# Altium PCB RFautoMaTE_ASCII.PcbDoc (part 1 of 2)
Units mm, origin at the board's own origin, x right, y up, seen from the top; angles counter-clockwise.
Board outline 126.62 x 342.77 mm, 2 copper layers (Top Layer, Bottom Layer); 303 components, 21 nets, 745 pads, 8 vias.
Unrouted connection lines stored in the file: 16.
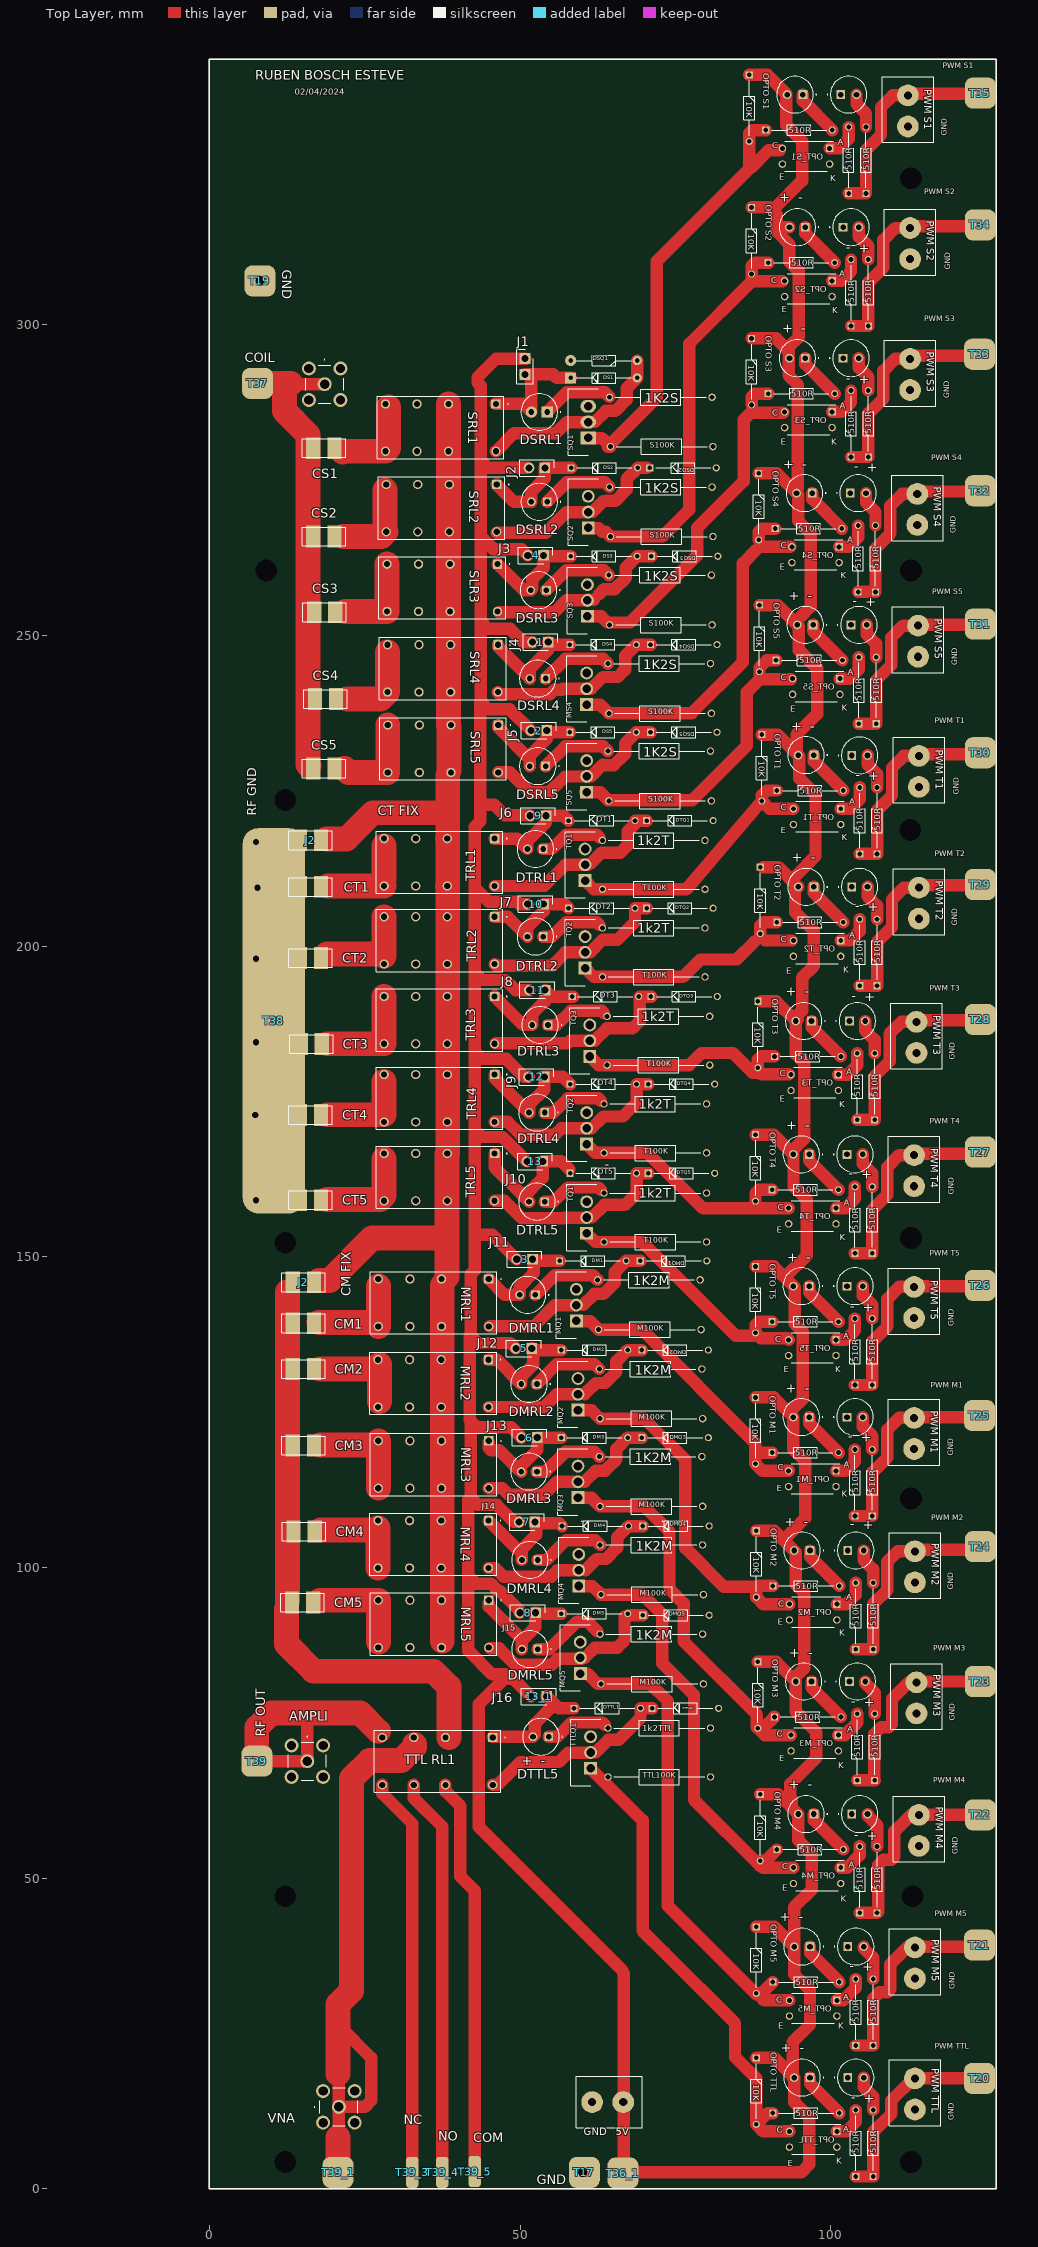
[diagram p0: Top Layer view]
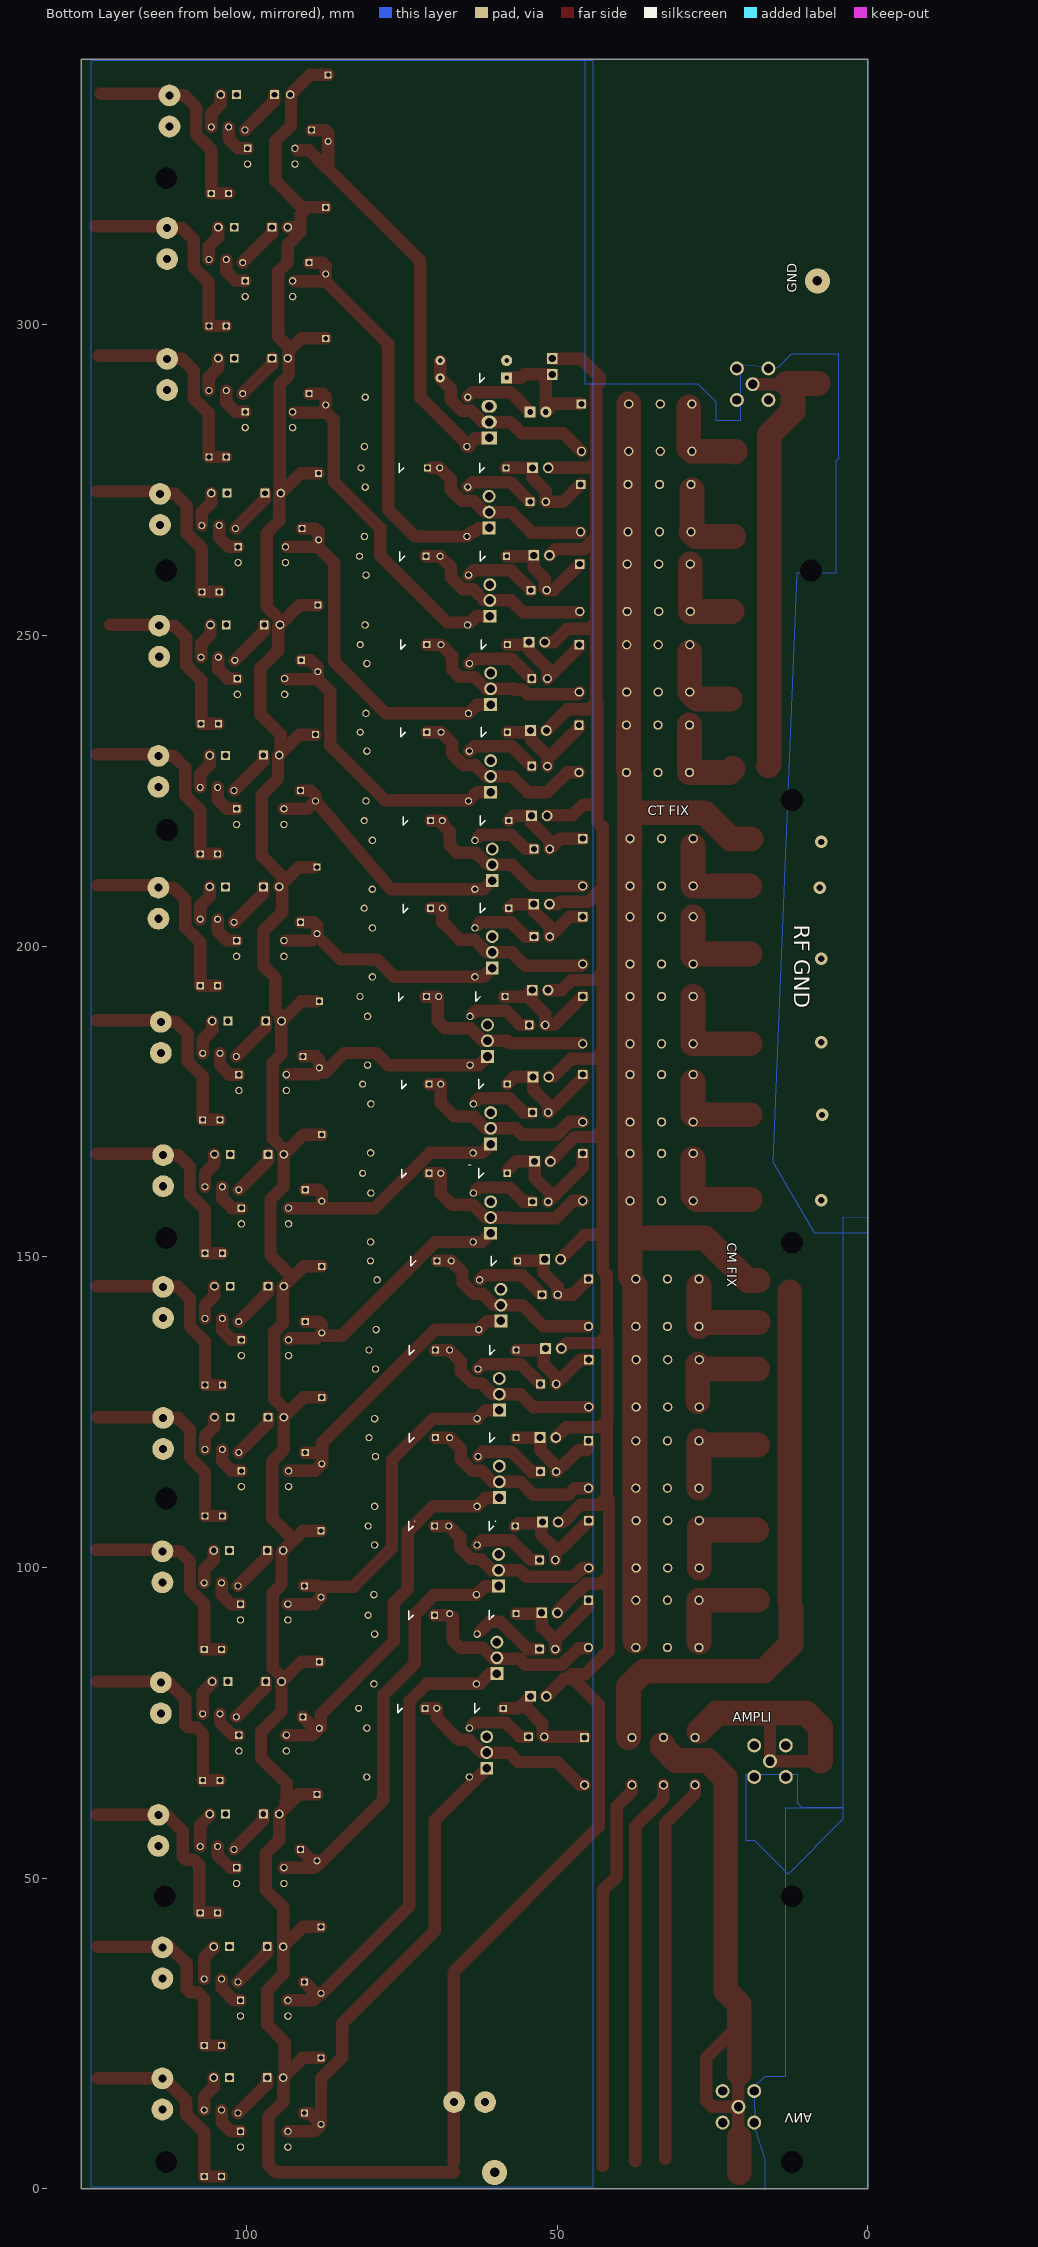
[diagram p1: Bottom Layer view, seen from below]

## Layer stack, top to bottom
Top Solder: solder mask 0.0102, Solder Resist, Dk 3.5
Top Layer: signal copper 0.0356
Dielectric 1: dielectric 0.32, FR-4, Dk 4.8
Bottom Layer: signal copper 0.0356
Bottom Solder: solder mask 0.0102, Solder Resist, Dk 3.5

## Board outline
0,0 126.619,0 126.619,342.773 0,342.773

## Design rules (kind name [scope] priority, off if disabled: settings)
AssemblyTestPointUsage [All] p0: scope1count=1 scope1_0_kind=Board scope1_0_value=Board scope2count=1 scope2_0_kind=Board scope2_0_value=Board commentlength=0
AssemblyTestpoint [All] p0: scope1count=1 scope1_0_kind=Board scope1_0_value=Board scope2count=1 scope2_0_kind=Board scope2_0_value=Board commentlength=0
Clearance [All] p0: scope1count=1 scope1_0_kind=Board scope1_0_value=Board scope2count=1 scope2_0_kind=Board scope2_0_value=Board commentlength=0 gap=0.254
Clearance [All] p1: gap=0.254 ignorepadtopadclearanceinfootprint=FALSE except(0: Arc-Hole Track-Hole SMDPad-Hole THPad-Hole Via-Hole Fill-Hole Poly-Hole Region-Hole Text-Hole)
ComponentClearance [All] p0: scope1count=1 scope1_0_kind=Board scope1_0_value=Board scope2count=1 scope2_0_kind=Board scope2_0_value=Board commentlength=0 gap=0.254 collisioncheckmode=3
DiffPairsRouting [All] p0: scope1count=1 scope1_0_kind=Board scope1_0_value=Board scope2count=1 scope2_0_kind=Board scope2_0_value=Board commentlength=0
FabricationTestPointUsage [All] p0: scope1count=1 scope1_0_kind=Board scope1_0_value=Board scope2count=1 scope2_0_kind=Board scope2_0_value=Board commentlength=0 valid=0 allowmultiple=FALSE
FabricationTestpoint [All] p0: scope1count=1 scope1_0_kind=Board scope1_0_value=Board scope2count=1 scope2_0_kind=Board scope2_0_value=Board commentlength=0 side=3 testpointundercomponent=TRUE minsize=1.016 maxsize=2.54 preferedsize=1.524 minholesize=0 maxholesize=1.016 preferedholesize=0.813 testpointgrid=0.025
FanoutControl Fanout_BGA [All] p0 off: scope1count=1 scope1_0_kind=Board scope1_0_value=Board scope2count=1 scope2_0_kind=Board scope2_0_value=Board commentlength=69 // Protel DXP Scope 1 Expression Was: IsBGA   Fanout_BGA (Default Rule)
FanoutControl Fanout_LCC [All] p0 off: scope1count=1 scope1_0_kind=Board scope1_0_value=Board scope2count=1 scope2_0_kind=Board scope2_0_value=Board commentlength=69 // Protel DXP Scope 1 Expression Was: IsLCC   Fanout_LCC (Default Rule)
FanoutControl Fanout_SOIC [All] p0 off: scope1count=1 scope1_0_kind=Board scope1_0_value=Board scope2count=1 scope2_0_kind=Board scope2_0_value=Board commentlength=71 // Protel DXP Scope 1 Expression Was: IsSOIC   Fanout_SOIC (Default Rule)
FanoutControl Fanout_Small [All] p0 off: scope1count=1 scope1_0_kind=Board scope1_0_value=Board scope2count=1 scope2_0_kind=Board scope2_0_value=Board commentlength=84 // Protel DXP Scope 1 Expression Was: (CompPinCount < 5)   Fanout_Small (Default Rule)
FanoutControl Fanout_Default [All] p0: scope1count=1 scope1_0_kind=Board scope1_0_value=Board scope2count=1 scope2_0_kind=Board scope2_0_value=Board commentlength=30 // Fanout_Default (Default Rule)
Height [All] p0: scope1count=1 scope1_0_kind=Board scope1_0_value=Board scope2count=1 scope2_0_kind=Board scope2_0_value=Board commentlength=0
HoleSize [All] p0: scope1count=1 scope1_0_kind=Board scope1_0_value=Board scope2count=1 scope2_0_kind=Board scope2_0_value=Board commentlength=0 absolutevalues=TRUE maxlimit=2.54 minlimit=0.025 maxpercent=80.000 minpercent=20.000
HoleToHoleClearance [All] p0: scope1count=1 scope1_0_kind=Board scope1_0_value=Board scope2count=1 scope2_0_kind=Board scope2_0_value=Board commentlength=0
LayerPairs [All] p0: scope1count=1 scope1_0_kind=Board scope1_0_value=Board scope2count=1 scope2_0_kind=Board scope2_0_value=Board commentlength=0 enforce=TRUE
MinimumSolderMaskSliver [All] p0: scope1count=1 scope1_0_kind=Board scope1_0_value=Board scope2count=1 scope2_0_kind=Board scope2_0_value=Board commentlength=0
NetAntennae [All] p0: scope1count=1 scope1_0_kind=Board scope1_0_value=Board scope2count=1 scope2_0_kind=Board scope2_0_value=Board commentlength=0
PasteMaskExpansion [All] p0: scope1count=1 scope1_0_kind=Board scope1_0_value=Board scope2count=1 scope2_0_kind=Board scope2_0_value=Board commentlength=0 expansion=0
PlaneClearance [All] p0: scope1count=1 scope1_0_kind=Board scope1_0_value=Board scope2count=1 scope2_0_kind=Board scope2_0_value=Board commentlength=0 clearance=0.508
PlaneConnect [All] p0: scope1count=1 scope1_0_kind=Board scope1_0_value=Board scope2count=1 scope2_0_kind=Board scope2_0_value=Board commentlength=0 planeconnectstyle=Relief reliefexpansion=0.508 reliefentries=4 reliefconductorwidth=0.254 reliefairgap=0.254
PolygonConnect [All] p0: scope1count=1 scope1_0_kind=Board scope1_0_value=Board scope2count=1 scope2_0_kind=Board scope2_0_value=Board commentlength=0 connectstyle=Direct reliefconductorwidth=0.254 reliefentries=4 polygonreliefangle="90 Angle"
PolygonConnect [All] p1: connectstyle=Direct reliefconductorwidth=0.254 reliefentries=4 polygonreliefangle="90 Angle" airgapwidth=0.254
RoutingCorners [All] p0: scope1count=1 scope1_0_kind=Board scope1_0_value=Board scope2count=1 scope2_0_kind=Board scope2_0_value=Board commentlength=0 cornerstyle=45-Degree minsetback=2.54 maxsetback=2.54
RoutingLayers [All] p0: scope1count=1 scope1_0_kind=Board scope1_0_value=Board scope2count=1 scope2_0_kind=Board scope2_0_value=Board commentlength=0 top layer=Automatic bottom layer=Automatic
RoutingPriority [All] p0: scope1count=1 scope1_0_kind=Board scope1_0_value=Board scope2count=1 scope2_0_kind=Board scope2_0_value=Board commentlength=0
RoutingTopology [All] p0: scope1count=1 scope1_0_kind=Board scope1_0_value=Board scope2count=1 scope2_0_kind=Board scope2_0_value=Board commentlength=0 topology=Shortest
RoutingVias [All] p0: scope1count=1 scope1_0_kind=Board scope1_0_value=Board scope2count=1 scope2_0_kind=Board scope2_0_value=Board commentlength=0 holewidth=0.711 width=2 viastyle="Through Hole" minholewidth=0 minwidth=1.27 maxholewidth=1 maxwidth=3
RoutingVias [All] p1: holewidth=0.711 width=2 viastyle="Through Hole" minholewidth=0 minwidth=1.27 maxholewidth=1 maxwidth=3
ShortCircuit [All] p0: scope1count=1 scope1_0_kind=Board scope1_0_value=Board scope2count=1 scope2_0_kind=Board scope2_0_value=Board commentlength=0 allowed=FALSE
SilkToBoardRegionClearance [All] p0: scope1count=1 scope1_0_kind=Board scope1_0_value=Board scope2count=1 scope2_0_kind=Board scope2_0_value=Board commentlength=0
SilkToSilkClearance [All] p0: scope1count=1 scope1_0_kind=Board scope1_0_value=Board scope2count=1 scope2_0_kind=Board scope2_0_value=Board commentlength=0
SilkToSolderMaskClearance [All] p0 off: scope1count=1 scope1_0_kind=Board scope1_0_value=Board scope2count=1 scope2_0_kind=Board scope2_0_value=Board commentlength=44 // Protel DXP Scope 1 Expression Was: IsPad
SolderMaskExpansion [All] p0: scope1count=1 scope1_0_kind=Board scope1_0_value=Board scope2count=1 scope2_0_kind=Board scope2_0_value=Board commentlength=0 expansion=0.102
SolderMaskExpansion [All] p1: expansion=0.102 istentingtop=FALSE
UnRoutedNet [All] p0: scope1count=1 scope1_0_kind=Board scope1_0_value=Board scope2count=1 scope2_0_kind=Board scope2_0_value=Board commentlength=0
UnpouredPolygon [All] p0: scope1count=1 scope1_0_kind=Board scope1_0_value=Board scope2count=1 scope2_0_kind=Board scope2_0_value=Board commentlength=0
Width [All] p0: scope1count=1 scope1_0_kind=Board scope1_0_value=Board scope2count=1 scope2_0_kind=Board scope2_0_value=Board commentlength=0 maxlimit=6 minlimit=0.254 preferedwidth=3
Width [All] p1: maxlimit=6 minlimit=0.254 preferedwidth=3 toplayer_maxwidth=4.5 toplayer_prefwidth=2 minimp=50.000000 maximp=50.000000 favimp=50.000000
30 further rules are at their usual default settings.

## Classes and differential pairs
component class AUTOTUNE: ac/dc1 Ampli1 coil PMW
component class AUTOTUNE_5S5M5T: 1k2T DTRL1 M100K T100K

## Components (designator, comment, footprint, x,y, rotation, side; value= is the part's Value field where it differs from the comment)
1 "251-8086" HDRV2W66P0X254_1X2_508X254X874P#1 54.529,248.937 r180 top (schematic designator J2)
1K2M "" RESAD1650W60L650D250 62.865,89.281 r0 top
1K2M "" RESAD1650W60L650D250 62.865,103.632 r0 top
1K2M "" RESAD1650W60L650D250 62.738,117.856 r0 top
1K2M "" RESAD1650W60L650D250 62.738,131.953 r0 top
1K2M "" RESAD1650W60L650D250 62.484,146.304 r0 top
1K2S "" RESAD1650W60L650D250 64.389,288.351 r0 top (schematic designator 1K2M)
1K2S "" RESAD1650W60L650D250 64.135,231.394 r0 top (schematic designator 1K2M)
1K2S "" RESAD1650W60L650D250 64.135,245.491 r0 top (schematic designator 1K2M)
1K2S "" RESAD1650W60L650D250 64.262,259.715 r0 top (schematic designator 1K2M)
1K2S "" RESAD1650W60L650D250 64.389,273.873 r0 top (schematic designator 1K2M)
1k2T "" RESAD1650W60L650D250 63.5,160.274 r0 top
1k2T "" RESAD1650W60L650D250 63.5,174.625 r0 top
1k2T "" RESAD1650W60L650D250 64.008,188.722 r0 top
1k2T "" RESAD1650W60L650D250 63.246,202.946 r0 top
1k2T "" RESAD1650W60L650D250 63.246,217.043 r0 top
1k2TTL "" RESAD1650W60L650D250 64.135,74.168 r0 top (schematic designator 1k2T)
2 "251-8086" HDRV2W66P0X254_1X2_508X254X874P#1 54.275,234.713 r180 top (schematic designator J2)
3 "251-8086" HDRV2W66P0X254_1X2_508X254X874P#1 51.989,149.623 r180 top (schematic designator J2)
4 "251-8086" HDRV2W66P0X254_1X2_508X254X874P#1 53.767,262.907 r180 top (schematic designator J2)
5 "251-8086" HDRV2W66P0X254_1X2_508X254X874P#1 51.862,135.272 r180 top (schematic designator J2)
6 "251-8086" HDRV2W66P0X254_1X2_508X254X874P#1 52.751,120.921 r180 top (schematic designator J2)
7 "251-8086" HDRV2W66P0X254_1X2_508X254X874P#1 52.37,107.332 r180 top (schematic designator J2)
8 "251-8086" HDRV2W66P0X254_1X2_508X254X874P#1 52.497,92.727 r180 top (schematic designator J2)
9 "251-8086" HDRV2W66P0X254_1X2_508X254X874P#1 54.148,220.997 r180 top (schematic designator J2)
10 "251-8086" HDRV2W66P0X254_1X2_508X254X874P#1 53.767,206.773 r180 top (schematic designator J2)
10K "" DIOAD1068W53L380D172#1 86.868,340.233 r270 top (schematic designator DM?)
10K "" DIOAD1068W53L380D172#1 87.249,318.897 r270 top (schematic designator DM?)
10K "" DIOAD1068W53L380D172#1 87.249,297.815 r270 top (schematic designator DM?)
10K "" DIOAD1068W53L380D172#1 88.392,276.098 r270 top (schematic designator DM?)
10K "" DIOAD1068W53L380D172#1 88.519,254.889 r270 top (schematic designator DM?)
10K "" DIOAD1068W53L380D172#1 88.9,234.061 r270 top (schematic designator DM?)
10K "" DIOAD1068W53L380D172#1 88.646,212.725 r270 top (schematic designator DM?)
10K "" DIOAD1068W53L380D172#1 88.265,191.135 r270 top (schematic designator DM?)
10K "" DIOAD1068W53L380D172#1 87.884,169.672 r270 top (schematic designator DM?)
10K "" DIOAD1068W53L380D172#1 87.884,148.463 r270 top (schematic designator DM?)
10K "" DIOAD1068W53L380D172#1 87.884,127.381 r270 top (schematic designator DM?)
10K "" DIOAD1068W53L380D172#1 88.011,105.918 r270 top (schematic designator DM?)
10K "" DIOAD1068W53L380D172#1 88.265,84.836 r270 top (schematic designator DM?)
10K "" DIOAD1068W53L380D172#1 88.646,63.5 r270 top (schematic designator DM?)
10K "" DIOAD1068W53L380D172#1 88.011,42.164 r270 top (schematic designator DM?)
10K "" DIOAD1068W53L380D172#1 88.011,21.082 r270 top (schematic designator DM?)
11 "251-8086" HDRV2W66P0X254_1X2_508X254X874P#1 54.021,192.93 r180 top (schematic designator J2)
12 "251-8086" HDRV2W66P0X254_1X2_508X254X874P#1 53.894,178.96 r180 top (schematic designator J2)
13 "251-8086" HDRV2W66P0X254_1X2_508X254X874P#1 53.64,165.371 r180 top (schematic designator J2)
13_1 "251-8086" HDRV2W66P0X254_1X2_508X254X874P#1 54.275,79.265 r180 top (schematic designator J2)
510R "" DIOAD1068W53L380D172#1 105.664,321.151 r90 top (schematic designator DM?)
510R "" DIOAD1068W53L380D172#1 102.87,321.151 r90 top (schematic designator DM?)
510R "" DIOAD1068W53L380D172#1 89.535,331.356 r0 top (schematic designator DM?)
510R "" DIOAD1068W53L380D172#1 106.045,299.815 r90 top (schematic designator DM?)
510R "" DIOAD1068W53L380D172#1 103.251,299.815 r90 top (schematic designator DM?)
510R "" DIOAD1068W53L380D172#1 89.916,310.02 r0 top (schematic designator DM?)
510R "" DIOAD1068W53L380D172#1 89.916,288.938 r0 top (schematic designator DM?)
510R "" DIOAD1068W53L380D172#1 103.251,278.733 r90 top (schematic designator DM?)
510R "" DIOAD1068W53L380D172#1 106.045,278.733 r90 top (schematic designator DM?)
510R "" DIOAD1068W53L380D172#1 91.059,267.221 r0 top (schematic designator DM?)
510R "" DIOAD1068W53L380D172#1 104.394,257.016 r90 top (schematic designator DM?)
510R "" DIOAD1068W53L380D172#1 107.188,257.016 r90 top (schematic designator DM?)
510R "" DIOAD1068W53L380D172#1 91.186,246.012 r0 top (schematic designator DM?)
510R "" DIOAD1068W53L380D172#1 104.521,235.807 r90 top (schematic designator DM?)
510R "" DIOAD1068W53L380D172#1 107.315,235.807 r90 top (schematic designator DM?)
510R "" DIOAD1068W53L380D172#1 91.313,225.057 r0 top (schematic designator DM?)
510R "" DIOAD1068W53L380D172#1 104.648,214.852 r90 top (schematic designator DM?)
510R "" DIOAD1068W53L380D172#1 107.442,214.852 r90 top (schematic designator DM?)
510R "" DIOAD1068W53L380D172#1 91.313,203.848 r0 top (schematic designator DM?)
510R "" DIOAD1068W53L380D172#1 104.648,193.643 r90 top (schematic designator DM?)
510R "" DIOAD1068W53L380D172#1 107.442,193.643 r90 top (schematic designator DM?)
510R "" DIOAD1068W53L380D172#1 90.932,182.258 r0 top (schematic designator DM?)
510R "" DIOAD1068W53L380D172#1 104.267,172.053 r90 top (schematic designator DM?)
510R "" DIOAD1068W53L380D172#1 107.061,172.053 r90 top (schematic designator DM?)
510R "" DIOAD1068W53L380D172#1 90.551,160.795 r0 top (schematic designator DM?)
510R "" DIOAD1068W53L380D172#1 103.886,150.59 r90 top (schematic designator DM?)
510R "" DIOAD1068W53L380D172#1 106.68,150.59 r90 top (schematic designator DM?)
510R "" DIOAD1068W53L380D172#1 106.68,129.381 r90 top (schematic designator DM?)
510R "" DIOAD1068W53L380D172#1 103.886,129.381 r90 top (schematic designator DM?)
510R "" DIOAD1068W53L380D172#1 90.551,139.586 r0 top (schematic designator DM?)
510R "" DIOAD1068W53L380D172#1 90.551,118.504 r0 top (schematic designator DM?)
510R "" DIOAD1068W53L380D172#1 103.886,108.299 r90 top (schematic designator DM?)
510R "" DIOAD1068W53L380D172#1 106.68,108.299 r90 top (schematic designator DM?)
510R "" DIOAD1068W53L380D172#1 90.678,97.041 r0 top (schematic designator DM?)
510R "" DIOAD1068W53L380D172#1 104.013,86.836 r90 top (schematic designator DM?)
510R "" DIOAD1068W53L380D172#1 106.807,86.836 r90 top (schematic designator DM?)
510R "" DIOAD1068W53L380D172#1 107.061,65.754 r90 top (schematic designator DM?)
510R "" DIOAD1068W53L380D172#1 104.267,65.754 r90 top (schematic designator DM?)
510R "" DIOAD1068W53L380D172#1 90.932,75.959 r0 top (schematic designator DM?)
510R "" DIOAD1068W53L380D172#1 107.442,44.418 r90 top (schematic designator DM?)
510R "" DIOAD1068W53L380D172#1 104.648,44.418 r90 top (schematic designator DM?)
510R "" DIOAD1068W53L380D172#1 91.313,54.623 r0 top (schematic designator DM?)
510R "" DIOAD1068W53L380D172#1 90.678,33.287 r0 top (schematic designator DM?)
510R "" DIOAD1068W53L380D172#1 104.013,23.082 r90 top (schematic designator DM?)
510R "" DIOAD1068W53L380D172#1 106.807,23.082 r90 top (schematic designator DM?)
510R "" DIOAD1068W53L380D172#1 106.807,2 r90 top (schematic designator DM?)
510R "" DIOAD1068W53L380D172#1 104.013,2 r90 top (schematic designator DM?)
510R "" DIOAD1068W53L380D172#1 90.678,12.205 r0 top (schematic designator DM?)
AMPLI "73251-3140" 732513140 15.748,68.834 r270 top (schematic designator J?)
CM1 "009296001202806" 009296001202806 15.113,139.319 r270 top (schematic designator J2)
CM2 "009296001202806" 009296001202806 15.113,131.953 r270 top (schematic designator J2)
CM3 "009296001202806" 009296001202806 15.113,119.634 r270 top (schematic designator J2)
CM4 "009296001202806" 009296001202806 15.24,105.791 r270 top (schematic designator J2)
CM5 "009296001202806" 009296001202806 14.986,94.361 r270 top (schematic designator J2)
CS1 "009296001202806" 009296001202806 18.415,280.162 r270 top (schematic designator J2)
CS2 "009296001202806" 009296001202806 18.415,265.938 r270 top (schematic designator J2)
CS3 "009296001202806" 009296001202806 18.542,253.746 r270 top (schematic designator J2)
CS4 "009296001202806" 009296001202806 18.669,239.776 r270 top (schematic designator J2)
CS5 "009296001202806" 009296001202806 18.415,228.6 r270 top (schematic designator J2)
CT1 "009296001202806" 009296001202806 16.256,209.55 r270 top (schematic designator J2)
CT2 "009296001202806" 009296001202806 16.256,198.12 r270 top (schematic designator J2)
CT3 "009296001202806" 009296001202806 16.383,184.277 r270 top (schematic designator J2)
CT4 "009296001202806" 009296001202806 16.256,172.847 r270 top (schematic designator J2)
CT5 "009296001202806" 009296001202806 16.256,159.131 r270 top (schematic designator J2)
DM1 "" DIOAD1068W53L380D172#1 56.356,149.352 r0 top
DM2 "" DIOAD1068W53L380D172#1 56.61,135.001 r0 top (schematic designator DM1)
DM3 "" DIOAD1068W53L380D172#1 56.61,120.904 r0 top (schematic designator DM1)
DM4 "" DIOAD1068W53L380D172#1 56.737,106.68 r0 top (schematic designator DM1)
DM5 "" DIOAD1068W53L380D172#1 56.61,92.583 r0 top (schematic designator DM1)
DMQ1 "" DIOAD1068W53L380D172#1 69.342,149.352 r0 top
DMQ2 "" DIOAD1068W53L380D172#1 69.596,135.001 r0 top (schematic designator DMQ1)
DMQ3 "" DIOAD1068W53L380D172#1 69.596,120.904 r0 top (schematic designator DMQ1)
DMQ4 "" DIOAD1068W53L380D172#1 69.723,106.68 r0 top (schematic designator DMQ1)
DMQ5 "" DIOAD1068W53L380D172#1 69.723,92.329 r0 top (schematic designator DMQ1)
DMRL1 "L53GD" L53GD#1 52.451,143.891 r270 top (schematic designator LEDmatching)
DMRL2 "L53GD" L53GD#1 52.705,129.54 r270 top (schematic designator LEDmatching)
DMRL3 "L53GD" L53GD#1 52.705,115.443 r270 top (schematic designator LEDmatching)
DMRL4 "L53GD" L53GD#1 52.832,101.219 r270 top (schematic designator LEDmatching)
DS1 "" DIOAD1068W53L380D172#2 58.134,291.465 r0 top (schematic designator DM1)
DS2 "" DIOAD1068W53L380D172#1 58.212,276.987 r0 top (schematic designator DM1)
DS3 "" DIOAD1068W53L380D172#1 58.134,262.763 r0 top (schematic designator DM1)
DS4 "" DIOAD1068W53L380D172#1 58.007,248.539 r0 top (schematic designator DM1)
DS5 "" DIOAD1068W53L380D172#1 58.007,234.442 r0 top (schematic designator DM1)
DSQ1 "" DIOAD1068W53L380D172#3 68.834,294.259 r180 top (schematic designator DMQ1)
DSQ2 "" DIOAD1068W53L380D172#1 70.866,276.987 r0 top (schematic designator DMQ1)
DSQ3 "" DIOAD1068W53L380D172#1 71.12,262.763 r0 top (schematic designator DMQ1)
DSQ4 "" DIOAD1068W53L380D172#1 70.993,248.539 r0 top (schematic designator DMQ1)
DSQ5 "" DIOAD1068W53L380D172#1 70.993,234.442 r0 top (schematic designator DMQ1)
DSRL1 "L53GD" L53GD#2 54.356,285.976 r270 top (schematic designator LEDmatching)
DSRL2 "L53GD" L53GD#1 54.356,271.526 r270 top (schematic designator LEDmatching)
DSRL3 "L53GD" L53GD#1 54.229,257.302 r270 top (schematic designator LEDmatching)
DSRL4 "L53GD" L53GD#1 54.102,243.078 r270 top (schematic designator LEDmatching)
DSRL5 "L53GD" L53GD#1 54.102,228.981 r270 top (schematic designator LEDmatching)
DT1 "" DIOAD1068W53L380D172#1 57.785,220.218 r0 top
DT2 "" DIOAD1068W53L380D172#1 57.785,206.121 r0 top (schematic designator DT1)
DT3 "" DIOAD1068W53L380D172#1 58.38,191.897 r0 top (schematic designator DT1)
DT4 "" DIOAD1068W53L380D172#1 58.039,177.8 r0 top (schematic designator DT1)
DT5 "" DIOAD1068W53L380D172#1 58.039,163.449 r0 top (schematic designator DT1)
DTQ1 "" DIOAD1068W53L380D172#1 70.358,220.218 r0 top
DTQ2 "" DIOAD1068W53L380D172#1 70.358,206.121 r0 top (schematic designator DTQ1)
DTQ3 "" DIOAD1068W53L380D172#1 71.035,191.897 r0 top (schematic designator DTQ1)
DTQ4 "" DIOAD1068W53L380D172#1 70.612,177.8 r0 top (schematic designator DTQ1)
DTQ5 "" DIOAD1068W53L380D172#1 70.612,163.449 r0 top (schematic designator DTQ1)
DTRL1 "L53GD" L53GD#1 53.721,215.646 r270 top (schematic designator "LED tuning")
DTRL2 "L53GD" L53GD#1 53.721,201.549 r270 top (schematic designator "LED tuning")
DTRL3 "L53GD" L53GD#1 54.483,187.325 r270 top (schematic designator "LED tuning")
DTRL4 "L53GD" L53GD#1 53.975,173.228 r270 top (schematic designator "LED tuning")
DTRL5 "L53GD" L53GD#1 53.975,158.877 r270 top (schematic designator "LED tuning")
DTTL1 "" DIOAD1068W53L380D172#1 58.674,77.343 r0 top (schematic designator DT1)
DTTLQ1 "" DIOAD1068W53L380D172#1 71.247,77.343 r0 top (schematic designator DTQ1)
"GND   5V" "691213710002" 691213710002#1 66.595,13.97 r180 top (schematic designator pwm)
J2 "009296001202806" 009296001202806 16.256,217.043 r270 top
J2 "009296001202806" 009296001202806 15.113,145.923 r270 top
J2 "251-8086" HDRV2W66P0X254_1X2_508X254X874P#1 53.975,276.987 r180 top
J2 "251-8086" HDRV2W66P0X254_1X2_508X254X874P#2 50.8,294.565 r270 top
J? "73251-3140" 732513140 18.542,290.449 r270 top
J? "73251-3140" 732513140 20.828,13.208 r0 top
"LED tuning" "L53GD" L53GD#1 54.61,72.771 r270 top
"LED tuning?" "L53GD" L53GD#1 101.6,337.058 r90 top
"LED tuning?" "L53GD" L53GD#1 101.981,315.722 r90 top
"LED tuning?" "L53GD" L53GD#1 101.981,294.64 r90 top
"LED tuning?" "L53GD" L53GD#1 103.124,272.923 r90 top
"LED tuning?" "L53GD" L53GD#1 103.251,251.714 r90 top
"LED tuning?" "L53GD" L53GD#1 103.378,230.703 r90 top
"LED tuning?" "L53GD" L53GD#1 103.378,209.55 r90 top
"LED tuning?" "L53GD" L53GD#1 102.997,187.96 r90 top
"LED tuning?" "L53GD" L53GD#1 102.616,166.497 r90 top
"LED tuning?" "L53GD" L53GD#1 102.616,145.288 r90 top
"LED tuning?" "L53GD" L53GD#1 102.616,124.206 r90 top
"LED tuning?" "L53GD" L53GD#1 102.743,102.743 r90 top
"LED tuning?" "L53GD" L53GD#1 102.997,81.661 r90 top
"LED tuning?" "L53GD" L53GD#1 103.378,60.325 r90 top
"LED tuning?" "L53GD" L53GD#1 102.743,38.989 r90 top
"LED tuning?" "L53GD" L53GD#1 102.743,17.907 r90 top
LEDmatching "L53GD" L53GD#1 52.832,86.868 r270 top
M100K "" RESAD1650W60L650D250 79.502,81.28 r180 top
M100K "" RESAD1650W60L650D250 79.502,95.631 r180 top
M100K "" RESAD1650W60L650D250 79.375,109.855 r180 top
M100K "" RESAD1650W60L650D250 79.375,123.952 r180 top
M100K "" RESAD1650W60L650D250 79.121,138.303 r180 top
MQ1 "" TO254P483X1016X2223-3P#1 59.055,139.7 r90 top
MQ2 "" TO254P483X1016X2223-3P#1 59.309,125.349 r90 top (schematic designator MQ1)
MQ3 "" TO254P483X1016X2223-3P#1 59.309,111.252 r90 top (schematic designator MQ1)
MQ4 "" TO254P483X1016X2223-3P#1 59.436,97.028 r90 top (schematic designator MQ1)
MQ5 "" TO254P483X1016X2223-3P#1 59.69,82.931 r90 top (schematic designator MQ1)
MRL1 "" G5V2DC3 44.958,146.431 r180 top
MRL2 "" G5V2DC3 44.912,133.46 r180 top (schematic designator MRL1)
MRL3 "" G5V2DC3 44.958,120.396 r180 top (schematic designator MRL1)
MRL4 "" G5V2DC3 44.912,107.552 r180 top (schematic designator MRL1)
MRL5 "" G5V2DC3 44.958,94.742 r180 top (schematic designator MRL1)
MS4 "" TO254P483X1016X2223-3P#1 60.706,238.887 r90 top (schematic designator MQ1)
OPT_M1 "EL817" DIP762W60P254L458H480Q4N 97.028,114.3 r180 top (schematic designator IC?)
OPT_M2 "EL817" DIP762W60P254L458H480Q4N 97.155,92.837 r180 top (schematic designator IC?)
OPT_M3 "EL817" DIP762W60P254L458H480Q4N 97.409,71.755 r180 top (schematic designator IC?)
OPT_M4 "EL817" DIP762W60P254L458H480Q4N 97.79,50.419 r180 top (schematic designator IC?)
OPT_M5 "EL817" DIP762W60P254L458H480Q4N 97.155,29.083 r180 top (schematic designator IC?)
OPT_S1 "EL817" DIP762W60P254L458H480Q4N 96.012,327.152 r180 top (schematic designator IC?)
OPT_S2 "EL817" DIP762W60P254L458H480Q4N 96.393,305.816 r180 top (schematic designator IC?)
OPT_S3 "EL817" DIP762W60P254L458H480Q4N 96.393,284.734 r180 top (schematic designator IC?)
OPT_S4 "EL817" DIP762W60P254L458H480Q4N 97.536,263.017 r180 top (schematic designator IC?)
OPT_S5 "EL817" DIP762W60P254L458H480Q4N 97.663,241.808 r180 top (schematic designator IC?)
OPT_T1 "EL817" DIP762W60P254L458H480Q4N 97.79,220.853 r180 top (schematic designator IC?)
OPT_T2 "EL817" DIP762W60P254L458H480Q4N 97.79,199.644 r180 top (schematic designator IC?)
OPT_T3 "EL817" DIP762W60P254L458H480Q4N 97.409,178.054 r180 top (schematic designator IC?)
OPT_T4 "EL817" DIP762W60P254L458H480Q4N 97.028,156.591 r180 top (schematic designator IC?)
OPT_T5 "EL817" DIP762W60P254L458H480Q4N 97.028,135.382 r180 top (schematic designator IC?)
OPT_TTL "EL817" DIP762W60P254L458H480Q4N 97.155,8.001 r180 top (schematic designator IC?)
"OPTO M1" "L53GD" L53GD#1 96.52,124.206 r270 top (schematic designator "LED tuning?")
"OPTO M2" "L53GD" L53GD#1 96.647,102.743 r270 top (schematic designator "LED tuning?")
"OPTO M3" "L53GD" L53GD#1 96.901,81.661 r270 top (schematic designator "LED tuning?")
"OPTO M4" "L53GD" L53GD#1 97.282,60.325 r270 top (schematic designator "LED tuning?")
"OPTO M5" "L53GD" L53GD#1 96.647,38.989 r270 top (schematic designator "LED tuning?")
"OPTO S1" "L53GD" L53GD#1 95.504,337.058 r270 top (schematic designator "LED tuning?")
"OPTO S2" "L53GD" L53GD#1 95.885,315.722 r270 top (schematic designator "LED tuning?")
"OPTO S3" "L53GD" L53GD#1 95.885,294.64 r270 top (schematic designator "LED tuning?")
"OPTO S4" "L53GD" L53GD#1 97.028,272.923 r270 top (schematic designator "LED tuning?")
"OPTO S5" "L53GD" L53GD#1 97.155,251.714 r270 top (schematic designator "LED tuning?")
"OPTO T1" "L53GD" L53GD#1 97.282,230.759 r270 top (schematic designator "LED tuning?")
"OPTO T2" "L53GD" L53GD#1 97.282,209.55 r270 top (schematic designator "LED tuning?")
"OPTO T3" "L53GD" L53GD#1 96.901,187.96 r270 top (schematic designator "LED tuning?")
"OPTO T4" "L53GD" L53GD#1 96.52,166.497 r270 top (schematic designator "LED tuning?")
"OPTO T5" "L53GD" L53GD#1 96.52,145.288 r270 top (schematic designator "LED tuning?")
"OPTO TTL" "L53GD" L53GD#1 96.647,17.907 r270 top (schematic designator "LED tuning?")
"PWM M1" "691213710002" 691213710002#2 113.411,124.079 r270 top (schematic designator pwm)
"PWM M2" "691213710002" 691213710002#2 113.538,102.616 r270 top (schematic designator pwm)
"PWM M3" "691213710002" 691213710002#2 113.792,81.534 r270 top (schematic designator pwm)
"PWM M4" "691213710002" 691213710002#2 114.173,60.198 r270 top (schematic designator pwm)
"PWM M5" "691213710002" 691213710002#2 113.538,38.862 r270 top (schematic designator pwm)
"PWM S1" "691213710002" 691213710002#2 112.395,336.931 r270 top (schematic designator pwm)
"PWM S2" "691213710002" 691213710002#2 112.776,315.595 r270 top (schematic designator pwm)
"PWM S3" "691213710002" 691213710002#2 112.776,294.513 r270 top (schematic designator pwm)
"PWM S4" "691213710002" 691213710002#2 113.919,272.796 r270 top (schematic designator pwm)
"PWM S5" "691213710002" 691213710002#2 114.046,251.587 r270 top (schematic designator pwm)
"PWM T1" "691213710002" 691213710002#2 114.173,230.632 r270 top (schematic designator pwm)
"PWM T2" "691213710002" 691213710002#2 114.173,209.423 r270 top (schematic designator pwm)
"PWM T3" "691213710002" 691213710002#2 113.792,187.833 r270 top (schematic designator pwm)
"PWM T4" "691213710002" 691213710002#2 113.411,166.37 r270 top (schematic designator pwm)
"PWM T5" "691213710002" 691213710002#2 113.411,145.161 r270 top (schematic designator pwm)
"PWM TTL" "691213710002" 691213710002#2 113.538,17.78 r270 top (schematic designator pwm)
S100K "" RESAD1650W60L650D250 80.772,223.393 r180 top (schematic designator M100K)
S100K "" RESAD1650W60L650D250 80.772,237.49 r180 top (schematic designator M100K)
S100K "" RESAD1650W60L650D250 80.899,251.714 r180 top (schematic designator M100K)
S100K "" RESAD1650W60L650D250 81.026,265.938 r180 top (schematic designator M100K)
S100K "" RESAD1650W60L650D250 81.026,280.416 r180 top (schematic designator M100K)
SLR3 "" G5V2DC3 46.355,261.493 r180 top (schematic designator MRL1)
SQ1 "" TO254P483X1016X2223-3P#2 60.96,281.813 r90 top (schematic designator MQ1)
SQ2 "" TO254P483X1016X2223-3P#1 60.96,267.335 r90 top (schematic designator MQ1)
SQ3 "" TO254P483X1016X2223-3P#1 60.833,253.111 r90 top (schematic designator MQ1)
SQ5 "" TO254P483X1016X2223-3P#1 60.706,224.79 r90 top (schematic designator MQ1)
SRL1 "" G5V2DC3 46.101,287.274 r180 top (schematic designator MRL1)
SRL2 "" G5V2DC3 46.228,274.32 r180 top (schematic designator MRL1)
SRL4 "" G5V2DC3 46.436,248.522 r180 top (schematic designator MRL1)
SRL5 "" G5V2DC3 46.482,235.585 r180 top (schematic designator MRL1)
T17 "L1" "Terminal banana"#1 60.325,2.667 r180 top (schematic designator T14)
T19 "L1" "Terminal banana"#1 8.128,307.086 r270 top (schematic designator T14)
T20 "L1" "Terminal banana"#1 123.952,17.78 r180 top (schematic designator T14)
T21 "L1" "Terminal banana"#1 123.952,39.243 r180 top (schematic designator T14)
T22 "L1" "Terminal banana"#1 124.079,60.198 r180 top (schematic designator T14)
T23 "L1" "Terminal banana"#1 124.079,81.661 r180 top (schematic designator T14)
T24 "L1" "Terminal banana"#1 124.079,103.378 r180 top (schematic designator T14)
T25 "L1" "Terminal banana"#1 123.952,124.46 r180 top (schematic designator T14)
T26 "L1" "Terminal banana"#1 124.079,145.415 r180 top (schematic designator T14)
T27 "L1" "Terminal banana"#1 124.079,166.878 r180 top (schematic designator T14)
T28 "L1" "Terminal banana"#1 124.079,188.214 r180 top (schematic designator T14)
T29 "L1" "Terminal banana"#1 124.079,209.931 r180 top (schematic designator T14)
T30 "L1" "Terminal banana"#1 124.079,231.14 r180 top (schematic designator T14)
T31 "L1" "Terminal banana"#1 124.079,251.841 r180 top (schematic designator T14)
T32 "L1" "Terminal banana"#1 124.079,273.304 r180 top (schematic designator T14)
T33 "L1" "Terminal banana"#1 123.952,295.275 r180 top (schematic designator T14)
T34 "L1" "Terminal banana"#1 124.079,316.103 r180 top (schematic designator T14)
T35 "L1" "Terminal banana"#1 124.079,337.312 r180 top (schematic designator T14)
T36_1 "L1" "Terminal banana"#1 66.548,2.54 r90 top (schematic designator T14)
T37 "L1" "Terminal banana"#1 7.747,290.576 r270 top (schematic designator T14)
T38 "L1" "Terminal banana"#2 10.342,188 r180 top (schematic designator T14)
T39 "L1" "Terminal banana"#1 7.62,68.834 r270 top (schematic designator T14)
T39_1 "L1" "Terminal banana"#1 20.701,2.667 r0 top (schematic designator T14)
T39_3 "L1" "Terminal banana"#3 32.639,2.667 r0 top (schematic designator T14)
T39_4 "L1" "Terminal banana"#3 37.465,2.667 r0 top (schematic designator T14)
T39_5 "L1" "Terminal banana"#3 42.672,2.794 r0 top (schematic designator T14)
T100K "" RESAD1650W60L650D250 80.01,152.4 r180 top
T100K "" RESAD1650W60L650D250 80.01,166.751 r180 top
T100K "" RESAD1650W60L650D250 80.518,180.848 r180 top
T100K "" RESAD1650W60L650D250 79.756,195.072 r180 top
T100K "" RESAD1650W60L650D250 79.756,209.169 r180 top
TQ1 "" TO254P483X1016X2223-3P#1 60.706,153.797 r90 top
TQ1 "" TO254P483X1016X2223-3P#1 60.452,210.566 r90 top
TQ2 "" TO254P483X1016X2223-3P#1 60.706,168.148 r90 top (schematic designator TQ1)
TQ2 "" TO254P483X1016X2223-3P#1 60.452,196.469 r90 top (schematic designator TQ1)
TQ3 "" TO254P483X1016X2223-3P#1 61.214,182.245 r90 top (schematic designator TQ1)
TRL1 "" G5V2DC3 45.893,217.314 r180 top
TRL2 "" G5V2DC3 45.893,204.741 r180 top (schematic designator TRL1)
TRL3 "" G5V2DC3 45.893,191.914 r180 top (schematic designator TRL1)
TRL4 "" G5V2DC3 45.893,179.341 r180 top (schematic designator TRL1)
TRL5 "" G5V2DC3 45.893,166.641 r180 top (schematic designator TRL1)
TTL100K "" RESAD1650W60L650D250 80.645,66.294 r180 top (schematic designator T100K)
"TTL RL1" "" G5V2DC3 45.593,72.644 r180 top (schematic designator TRL1)
TTLQ1 "" TO254P483X1016X2223-3P#1 61.341,67.691 r90 top (schematic designator TQ1)

## Footprints (in the part's own frame and the unit in brackets; to place one, negate y for a bottom-side part, rotate by r counter-clockwise, add the part's x,y. Pads: shape width x height; smd on the part's side, far side on the other; paste and mask are expansions set on the pad)
732513140 [mm]
  round 2.25 hole 1.5: 1(0,0) 2(2.54,-2.54) 3(2.54,2.54) 4(-2.54,2.54) 5(-2.54,-2.54)
  silkscreen extent -4,-3.04 3.04,3.04
691213710002#1 [mm]
  round 3.5 hole 1.3: 1(0,0) 2(5,0)
  silkscreen extent -3.02,-4.15 7.58,4.15
691213710002#2 [mm]
  round 3.5 / inner round 1.95 / far side round 3.5 hole 1.3: 1(0,0)
  round 3.5 hole 1.3: 2(5,0)
  silkscreen extent -3.02,-4.15 7.58,4.15
009296001202806 [mm]
  rect 3.5x2.3 smd: 1(0,-1.7) 2(0,1.7)
  silkscreen extent -1.5,-3.5 1.5,3.5
DIOAD1068W53L380D172#1 [mm]
  rect 1.15x1.15 hole 0.75: 1(0,0)
  round 1.15 hole 0.75: 2(10.7,0)
  silkscreen extent 0.92,-0.86 9.77,0.86
DIOAD1068W53L380D172#2 [mm]
  rect 1.75x1.75 hole 0.75: 1(0,0)
  round 1.5 hole 0.75: 2(10.7,0)
  silkscreen extent 0.92,-0.86 9.77,0.86
DIOAD1068W53L380D172#3 [mm]
  round 1.5 hole 0.75: 1(0,0)
  round 1.8 hole 0.75: 2(10.7,0)
  silkscreen extent 0.92,-0.86 9.77,0.86
DIP762W60P254L458H480Q4N [mm]
  rect 1.2x1.2 hole 0.8: 1(-3.81,-1.27)
  round 1.2 hole 0.8: 2(-3.81,1.27) 3(3.81,1.27) 4(3.81,-1.27)
  silkscreen extent -4.41,-2.44 3.4,2.44
G5V2DC3 [mm]
  rect 1.5x1.5 hole 1: 1(0,0)
  round 1.5 hole 1: 4(7.62,0) 6(12.7,0) 8(17.78,0) 9(17.78,7.62) 11(12.7,7.62) 13(7.62,7.62) 16(0,7.62)
  silkscreen extent -2,-1.2 19.08,8.82
HDRV2W66P0X254_1X2_508X254X874P#1 [mm]
  rect 1.725x1.725 hole 1.15: 1(0,0)
  round 1.725 hole 1.15: 2(2.54,0)
  silkscreen extent -1.52,-1.32 4.06,1.32
HDRV2W66P0X254_1X2_508X254X874P#2 [mm]
  rect 1.75x1.75 hole 1.15: 1(0,0)
  rect 1.725x1.725 hole 1.15: 2(2.54,0)
  silkscreen extent -1.52,-1.32 4.06,1.32
L53GD#1 [mm]
  rect 1.416x1.416 hole 0.91: 1(0,0)
  round 1.416 hole 0.91: 2(0,-2.54)
  silkscreen extent -2.95,-4.22 2.95,2.2
L53GD#2 [mm]
  rect 1.8x1.8 hole 0.91: 1(0,0)
  round 1.8 hole 0.91: 2(0,-2.54)
  silkscreen extent -2.95,-4.22 2.95,2.2
RESAD1650W60L650D250 [mm]
  round 1.2 hole 0.8: 1(0,0) 2(16.5,0)
  silkscreen extent 0.95,-1.25 15.55,1.25
"Terminal banana"#1 [mm]
  rrect50% 5x5 smd: 1(0,0)
"Terminal banana"#2 [mm]
  rrect50% 10x62 smd: 1(0,0)
"Terminal banana"#3 [mm]
  rrect50% 2x5 smd: 1(0,0)
TO254P483X1016X2223-3P#1 [mm]
  rect 2.07x2.07 hole 1.38: 1(0,0)
  round 2.07 hole 1.38: 2(2.54,0) 3(5.08,0)
  silkscreen extent -2.8,-1.61 7.88,3.22
TO254P483X1016X2223-3P#2 [mm]
  rect 2.07x2.5 hole 1.38: 1(0,0)
  oval 2.07x2.5 hole 1.38: 2(2.54,0) 3(5.08,0)
  silkscreen extent -2.8,-1.61 7.88,3.22

## Part data
1 2 3 4 5 6 7 8 9 10 11 12 13 13_1 AMPLI CM1 CM2 CM3 CM4 CM5 CS1 CS2 CS3 CS4 CS5 CT1 CT2 CT3 CT4 CT5 "GND   5V" J2 J2 J2 J2 J? J? "PWM M1" "PWM M2" "PWM M3" "PWM M4" "PWM M5" "PWM S1" "PWM S2" "PWM S3" "PWM S4" "PWM S5" "PWM T1" "PWM T2" "PWM T3" "PWM T4" "PWM T5" "PWM TTL": "Connector"
1K2M 1K2M 1K2M 1K2M 1K2M 1K2S 1K2S 1K2S 1K2S 1K2S 1k2T 1k2T 1k2T 1k2T 1k2T 1k2TTL M100K M100K M100K M100K M100K S100K S100K S100K S100K S100K T100K T100K T100K T100K T100K TTL100K: library part MRS25000C1000FC100, "Resistor"
10K 10K 10K 10K 10K 10K 10K 10K 10K 10K 10K 10K 10K 10K 10K 10K 510R 510R 510R 510R 510R 510R 510R 510R 510R 510R 510R 510R 510R 510R 510R 510R 510R 510R 510R 510R 510R 510R 510R 510R 510R 510R 510R 510R 510R 510R 510R 510R 510R 510R 510R 510R 510R 510R 510R 510R 510R 510R 510R 510R 510R 510R 510R 510R DM1 DM2 DM3 DM4 DM5 DMQ1 DMQ2 DMQ3 DMQ4 DMQ5 DS1 DS2 DS3 DS4 DS5 DSQ1 DSQ2 DSQ3 DSQ4 DSQ5 DT1 DT2 DT3 DT4 DT5 DTQ1 DTQ2 DTQ3 DTQ4 DTQ5 DTTL1 DTTLQ1: library part 1N4148TA, "Diode"
DMRL1 DMRL2 DMRL3 DMRL4 DSRL1 DSRL2 DSRL3 DSRL4 DSRL5 DTRL1 DTRL2 DTRL3 DTRL4 DTRL5 "LED tuning" "LED tuning?" "LED tuning?" "LED tuning?" "LED tuning?" "LED tuning?" "LED tuning?" "LED tuning?" "LED tuning?" "LED tuning?" "LED tuning?" "LED tuning?" "LED tuning?" "LED tuning?" "LED tuning?" "LED tuning?" "LED tuning?" LEDmatching "OPTO M1" "OPTO M2" "OPTO M3" "OPTO M4" "OPTO M5" "OPTO S1" "OPTO S2" "OPTO S3" "OPTO S4" "OPTO S5" "OPTO T1" "OPTO T2" "OPTO T3" "OPTO T4" "OPTO T5" "OPTO TTL": "LED"
MQ1 MQ2 MQ3 MQ4 MQ5 MS4 SQ1 SQ2 SQ3 SQ5 TQ1 TQ1 TQ2 TQ2 TQ3 TTLQ1: library part IRFZ44n, "Transistor"
MRL1 MRL2 MRL3 MRL4 MRL5 SLR3 SRL1 SRL2 SRL4 SRL5 TRL1 TRL2 TRL3 TRL4 TRL5 "TTL RL1": library part G5V-2-DC3, "Relay or Contactor"
OPT_M1 OPT_M2 OPT_M3 OPT_M4 OPT_M5 OPT_S1 OPT_S2 OPT_S3 OPT_S4 OPT_S5 OPT_T1 OPT_T2 OPT_T3 OPT_T4 OPT_T5 OPT_TTL: "Integrated Circuit"
T17 T19 T20 T21 T22 T23 T24 T25 T26 T27 T28 T29 T30 T31 T32 T33 T34 T35 T36_1 T37 T38 T39 T39_1 T39_3 T39_4 T39_5: library part "Terminal banana"

## Free pads (board coordinates)
  round 1.524 hole 3.5 unplated: 8(9.144,260.477) 8(12.192,4.318) 8(12.192,47.117) 8(12.192,152.273) 8(12.192,223.52) 8(112.776,218.694) 8(112.903,4.318) 8(112.903,111.125) 8(112.903,153.035) 8(112.903,260.477) 8(112.903,323.596) 8(113.157,47.117)

## Via types
v1: diameter 2, hole 1, Top Layer to Bottom Layer, 6 vias
v2: diameter 4, hole 1.5, Top Layer to Bottom Layer, 2 vias